# Altium PCB SVEC.pcbdoc (part 4 of 18) (continued)
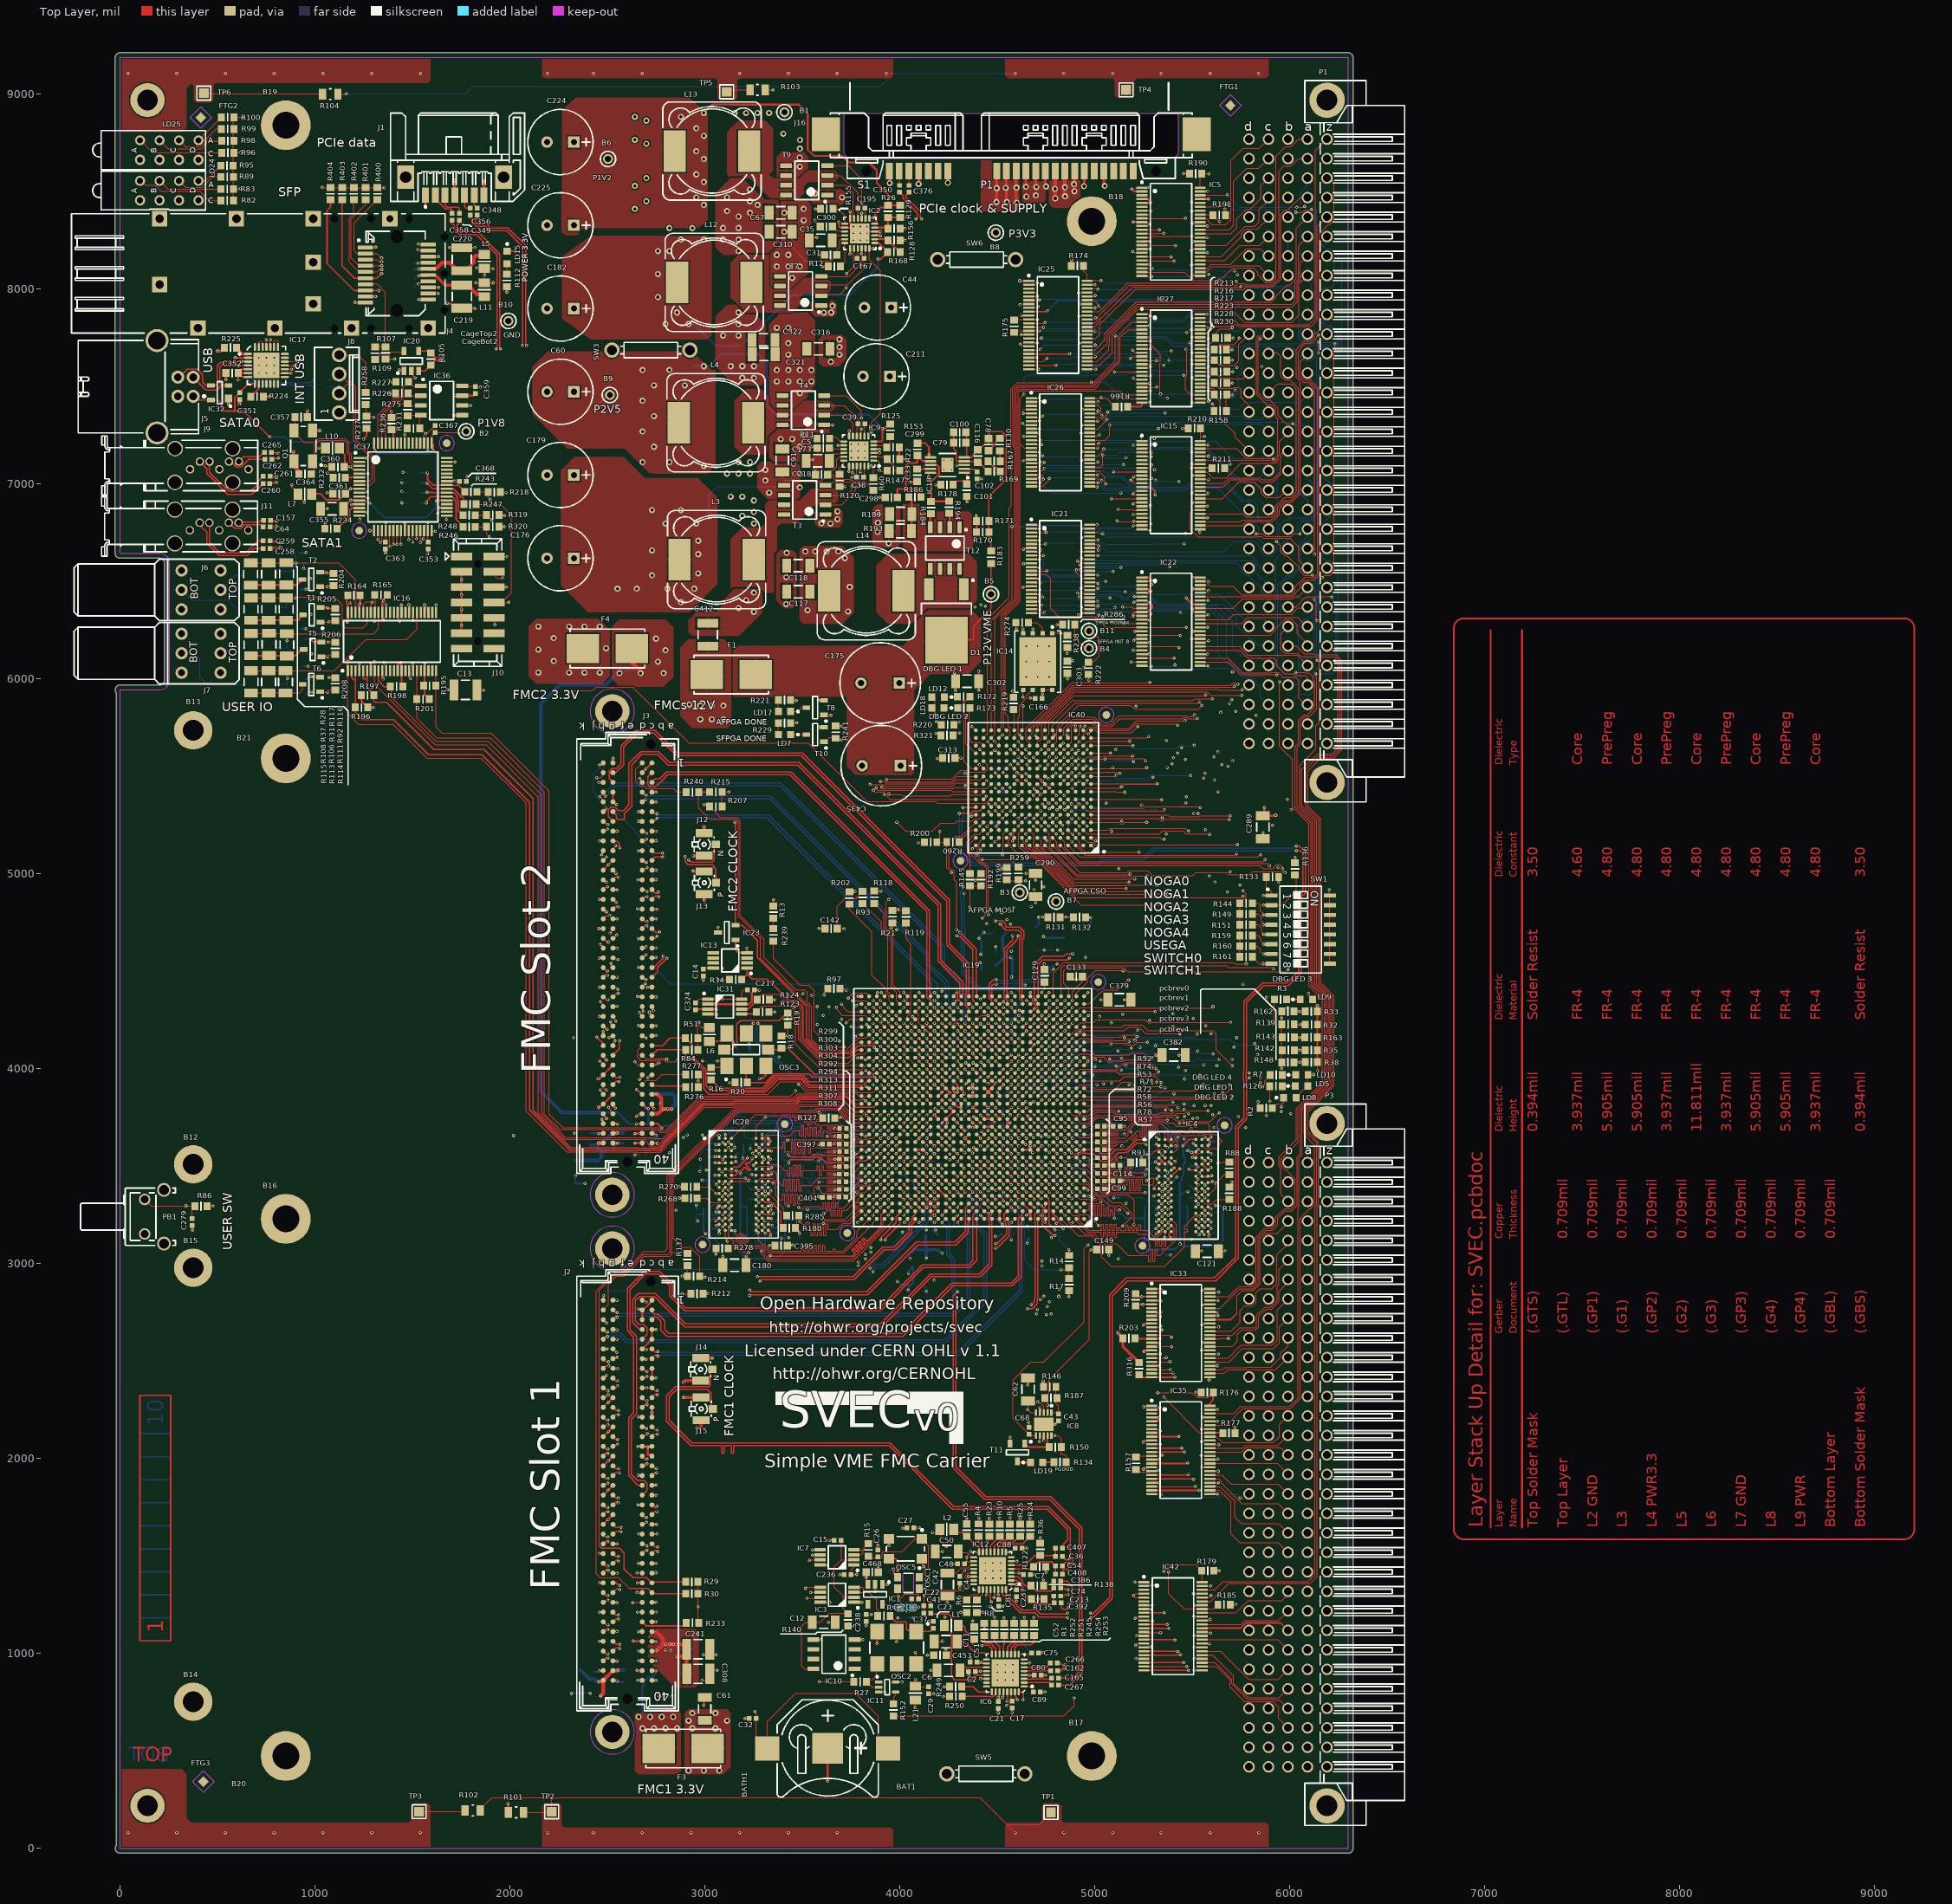
[diagram p0: Top Layer view]
## Nets (pads, with @x,y where several pads share a name; then routed paths per layer and width w, separated by ;. In a path a pad name is that pad's centre, name@x,y a point inside that pad or via, vN(x,y) a via of type N, cw(c..) or ccw(c..) an arc to the next point about the centre after c; other vN are vias at no path point) (continued)
DDR_2_DQ12: IC19.M26 IC28.A7 R302.1 | length 1147.2
  Top Layer w5: IC28.A7@3261.55,3642.73 3261.55,3703.5 v1(3308.55,3750.51) ; v1(3940.48,3643.03) IC19.M26@3960.17,3662.71
  Bottom Layer w5: v1(3308.55,3750.51) 3351.19,3750.51 3351.19,3782.87 3362.19,3782.87 3362.19,3750.51 3509.55,3750.51 3526.93,3767.88 3542.05,3767.88 3542.05,3797.34 3553.05,3797.34 3553.05,3767.88 3564.05,3767.88 3564.05,3797.34 3583.05,3797.34 3599.93,3780.46 3599.93,3768.55 3597.05,3765.68 3597.05,3738.42 3608.05,3738.42 3608.05,3797.34 3619.05,3797.34 3619.05,3767.88 3650.45,3767.88 3723.27,3695.06 3723.27,3692.51 3724.34,3693.57 3727.53,3696.77 3869.29,3696.77 3886.74,3679.32 3886.74,3676.44 3897.96,3665.21 3918.29,3665.21 v1(3940.48,3643.03)
DDR_2_DQ13: IC19.M27 IC28.A2 R301.1 | length 1134.1
  Top Layer w5: IC28.A2@3104.07,3642.73 3104.07,3661.02 v1(3104.55,3661.51) ; v1(3901.11,3643.03) IC19.M27@3920.8,3662.71
  Bottom Layer w5: v1(3104.55,3661.51) 3092.55,3673.51 3092.55,3719.51 3126.55,3753.51 3148.05,3753.51 3148.05,3783.51 3159.05,3783.51 3159.05,3753.51 3170.05,3753.51 3170.05,3783.51 3181.05,3783.51 3181.05,3753.51 3200.55,3753.51 3219.55,3734.51 3319.86,3734.51 3321.36,3736.01 3529.05,3736.01 3540.72,3724.34 3547.79,3731.41 3555.57,3723.63 3548.5,3716.56 3568.18,3696.88 3568.18,3693.57 3584.13,3677.62 3588.93,3672.82 3702.76,3672.82 3722.07,3653.51 R301.1@3723.27,3653.51 3738.64,3668.88 3831.92,3668.88 3847.3,3653.51 3890.63,3653.51 v1(3901.11,3643.03)
DDR_2_DQ14: IC19.M28 IC28.B8 R300.1 | length 1150
  Top Layer w5: IC28.B8@3293.04,3611.23 3293.04,3611.98 3308.42,3627.35 3308.42,3648.35 3320.58,3660.51 3379.68,3660.51 3384.42,3655.77 3433.95,3655.77 3460.99,3682.8 3485.05,3682.8 3485.05,3655.23 3496.05,3655.23 3496.05,3710.37 3507.05,3710.37 3507.05,3655.23 3518.05,3655.23 3518.05,3697.87 3529.05,3697.87 3529.05,3655.23 3540.05,3655.23 3540.05,3699.51 3551.05,3699.51 3551.05,3655.23 3562.05,3655.23 3562.05,3700.39 3573.05,3700.39 3573.05,3655.23 3584.05,3655.23 3584.05,3682.8 3595.05,3682.8 3595.05,3655.23 3606.05,3655.23 3606.05,3682.8 3645.51,3682.8 3655.5,3672.82 3702.76,3672.82 3722.07,3653.51 R300.1@3722.27,3653.51 ; R300.1@3723.27,3652.51 R300.1@3722.27,3653.51 ; IC19.M28@3881.43,3662.71 3861.74,3643.02 3837.22,3643.02 3831.7,3637.51 3813.05,3637.51 3809.87,3640.68 3787.69,3640.68 3774.86,3653.51 3724.4,3653.51 R300.1@3722.27,3653.51
DDR_2_DQ15: IC19.M30 IC28.A3 R299.1 | length 1157.7
  Top Layer w5: IC28.A3@3135.56,3642.73 3257.72,3764.88 3314.51,3764.88 3318.88,3760.51 3385.15,3760.51 3388.98,3764.34 3440.05,3764.34 3440.05,3752.1 3451.05,3752.1 3451.05,3764.34 3462.05,3764.34 3462.05,3734.34 3473.05,3734.34 3473.05,3764.34 3484.05,3764.34 3484.05,3734.34 3495.05,3734.34 3495.05,3764.34 3519.72,3764.34 3531.39,3752.67 3510.18,3731.46 3517.96,3723.68 3539.17,3744.89 3554.45,3760.17 3562.23,3752.39 3525.73,3715.9 3533.51,3708.12 3554.73,3729.33 3567.63,3742.24 3575.41,3734.46 3562.5,3721.56 3572.24,3711.82 3588.74,3711.82 3588.74,3691.8 3599.74,3691.8 3599.74,3711.82 3708.51,3711.82 3726.61,3693.72 3727.82,3692.51 R299.1@3725.4,3692.51 R299.1@3723.27,3692.51 ; R299.1@3722.07,3692.51 R299.1@3723.27,3692.51 ; IC19.M30@3802.69,3662.71 3801.89,3663.51 3752.27,3663.51 3724.33,3691.44 R299.1@3723.27,3692.51
DDR_2_LDM: IC19.J28 IC28.E7 R296.1 | length 1147.2
  Top Layer w5: v1(3861.74,3524.92) IC19.J28@3881.43,3544.6
  Top Layer w6: v1@3249.55,3504.75 IC28.E7@3261.55,3516.74
  L3 w4: v1(3249.55,3504.51) 3252.43,3507.38 3348.3,3507.38 3354.55,3501.13 3434.92,3501.13 3453.92,3520.13 3464.55,3520.13 3464.55,3545.75 3474.55,3545.75 3474.55,3492.09 3484.55,3492.09 3484.55,3548.18 3494.55,3548.18 3494.55,3492.09 3504.55,3492.09 3504.55,3548.18 3514.55,3548.18 3514.55,3492.09 3524.55,3492.09 3524.55,3548.18 3534.55,3548.18 3534.55,3492.09 3544.55,3492.09 3544.55,3520.13 3573.31,3520.13 3575.81,3517.63 3854.46,3517.63 v1(3861.74,3524.92)
  Bottom Layer w6: R296.1@3224.27,3517.51 3237.27,3504.51 v1(3249.55,3504.51)
DDR_2_LDQS_N: IC19.J30 IC28.G3 R292.1 | length 1135.7
  Top Layer w6: IC28.G3@3135.56,3453.75 3156.83,3453.75 3175.43,3472.34 3179.43,3476.35 3184.19,3476.35 3203.75,3495.91 3225.08,3474.58 3233.57,3483.06 3206.24,3510.39 3214.73,3518.88 3220.73,3512.88 3241.8,3533.95 v1(3241.8,3540.39) ; v1(3427.55,3560.51) 3440.55,3547.51 3544.76,3547.51 3557.63,3560.38 3593.51,3560.38 3594.39,3559.51 3597.35,3559.51 3601.35,3555.51 3705.69,3555.51 3723.48,3537.71 3730.36,3544.6 IC19.J30@3802.69,3544.6
  L8 w4: v1(3241.8,3540.39) 3251.68,3530.51 3270.52,3530.51 3280.4,3520.63 3369.4,3520.63 3394.52,3495.51 3453.55,3495.51 3463.55,3505.51 3463.55,3561.54 3444.58,3580.51 3409.52,3580.51 3394.55,3565.54 3394.55,3540.51 3403.55,3531.51 3409.55,3531.51 3412.43,3534.38 3442.43,3534.38 3452.55,3544.51 3452.55,3556.51 3448.55,3560.51 v1(3427.55,3560.51)
DDR_2_LDQS_P: IC19.J29 IC28.F3 R294.1 | length 1155.3
  Top Layer w6: IC28.F3@3135.56,3485.25 3138.29,3485.25 3148.55,3495.51 3171.55,3495.51 v1(3217.55,3541.51) v1@3219.55,3541.51 ; v1@3428.86,3516.82 3428.86,3523.82 3438.55,3533.51 3550.55,3533.51 3563.43,3546.38 3587.72,3546.38 3588.59,3545.51 3591.55,3545.51 3620.43,3516.63 3706.1,3516.63 3722.27,3500.46 3722.27,3497.64 3722.27,3497.51 3724.4,3497.51 3760.55,3497.51 3790.31,3527.26 3824.72,3527.26 IC19.J29@3842.06,3544.6
  L8 w4: v1(3217.55,3541.51) 3217.55,3535.51 3234.55,3518.51 3243.58,3518.51 3243.71,3518.38 3256.52,3518.38 3256.65,3518.51 3265.55,3518.51 3275.43,3508.63 3364.43,3508.63 3389.55,3483.51 3459.55,3483.51 3475.55,3499.51 3475.55,3524.51 3483.55,3524.51 3483.55,3534.51 3475.55,3534.51 3475.55,3566.51 3449.55,3592.51 3404.55,3592.51 3382.55,3570.51 3382.55,3535.54 3401.58,3516.51 v1(3428.55,3516.51)
DDR_2_ODT: IC19.E30 IC28.K1 R270.2 | length 912.7
  Top Layer w5: R270.2@2958.05,3393.51 3022.55,3393.51 v1(3056.55,3359.51) 3056.8,3359.26 IC28.K1@3072.57,3359.26 ; v1@3778.55,3371.51 3778.93,3371.51 3783,3367.43 IC19.E30@3802.69,3387.12
  L6 w4: v1(3056.55,3359.51) 3240.93,3359.51 3270.81,3389.38 3563.81,3389.38 3573.81,3399.38 3750.68,3399.38 v1@3778.55,3371.51
  other v1: 3778.55,3367.44
DDR_2_RAS_N: IC19.K26 IC28.J3 R266.1 | length 1150
  Top Layer w5: v1@3934.48,3565.52 3935.57,3565.52 3937.41,3567.36 3954.02,3583.97 IC19.K26@3960.17,3583.97
  Top Layer w6: v1(3121.15,3378.5) 3133.41,3390.76 IC28.J3@3135.56,3390.76
  L3 w4: v1(3121.15,3378.5) 3133.43,3390.78 3133.43,3526.51 3123.94,3526.51 3123.94,3536.51 3141.43,3536.51 3141.43,3546.51 3133.43,3546.51 3133.43,3557.64 3186.67,3610.88 3524.87,3610.88 3544.87,3590.88 3830.92,3590.88 3843.3,3578.51 3893.59,3578.51 3894.74,3579.66 3920.34,3579.66 v1@3934.48,3565.52
  Bottom Layer w6: v1(3121.15,3378.5) 3121.15,3380.11 3142.55,3401.51 R266.1@3145.84,3401.51
  other v1: 3940.48,3564.29
DDR_2_RESET_N: IC19.C26 IC28.T2 R278.2 | length 1054.6
  Top Layer w5: IC28.T2@3104.07,3170.29 3104.07,3128.99 ; v1(3114.55,3115.51) 3104.07,3125.99 3104.07,3128.99 ; R278.2@3119.05,3077.51 3119.05,3114.01 3104.07,3128.99 ; v1(3940.48,3288.7) IC19.C26@3960.17,3308.38
  L6 w4: v1(3114.55,3115.51) 3370.55,3115.51 3370.55,3131.13 3417.06,3177.63 3834.68,3177.63 3940.48,3283.43 v1(3940.48,3288.7)
DDR_2_UDM: IC19.J27 IC28.D3 R298.1 | length 1146.7
  Top Layer w5: v1(3901.11,3524.92) IC19.J27@3920.8,3544.6
  Top Layer w6: IC28.D3@3135.56,3548.24 3137.29,3546.51 v1(3155.55,3546.51)
  L3 w4: v1(3155.55,3546.51) 3186.68,3577.63 3236.3,3577.63 3239.55,3580.88 3296.05,3580.88 3308.55,3593.38 3346.3,3593.38 3358.3,3581.38 3379.55,3581.38 3379.55,3600.31 3389.55,3600.31 3389.55,3553.95 3399.55,3553.95 3399.55,3600.31 3409.55,3600.31 3409.55,3573.38 3419.55,3573.38 3419.55,3600.31 3429.55,3600.31 3429.55,3581.38 3439.55,3581.38 3439.55,3600.31 3449.55,3600.31 3449.55,3553.95 3459.55,3553.95 3459.55,3581.38 3611.55,3581.38 3642.05,3550.88 3672.92,3550.88 3677.3,3546.51 3879.52,3546.51 v1(3901.11,3524.92)
  Bottom Layer w6: v1(3155.55,3546.51) 3155.55,3555.51 3166.84,3566.79 R298.1@3166.84,3569.51
DDR_2_UDQS_N: IC19.K30 IC28.B7 R293.1 | length 1152.1
  Top Layer w6: IC28.B7@3261.55,3611.23 3277.27,3595.51 v1(3277.55,3595.51) ; v1(3771.55,3562.51) 3781.22,3562.51 IC19.K30@3802.69,3583.97
  Bottom Layer w6: v1(3277.55,3595.51) 3287.55,3595.51 3297.55,3605.51 3297.55,3630.3 3296.55,3631.3 3303.68,3638.43 3303.68,3639.47 3308.29,3644.08 3308.29,3654.21 3312.39,3658.31 3312.39,3659.3 3322.49,3669.41 3326.59,3673.51 3362.55,3673.51 3362.55,3703.51 3374.55,3703.51 3374.55,3673.51 3389.35,3673.51 3393.45,3669.41 3407.55,3655.3 3407.55,3549.51 3411.68,3545.38 3440.43,3545.38 3447.55,3552.51 3447.55,3684.51 3464.55,3701.51 3498.55,3701.51 3516.55,3683.51 3516.55,3550.51 3524.65,3542.41 3551.62,3542.41 3580.09,3570.88 3597.55,3570.88 3597.55,3550.71 3609.55,3550.71 3609.55,3570.88 3651.15,3570.88 3666.21,3555.82 3705.23,3555.82 R293.1@3724.4,3536.64 3748.69,3536.64 3754.69,3542.64 3754.69,3545.64 v1(3771.55,3562.51)
DDR_2_UDQS_P: IC19.K28 IC28.C7 R295.1 | length 1140.4
  Top Layer w6: IC28.C7@3261.55,3579.73 3277.55,3563.73 v1(3277.55,3563.51) ; v1(3861.74,3564.29) IC19.K28@3881.43,3583.97
  Bottom Layer w6: v1(3277.55,3563.51) 3277.55,3568.81 3290.25,3581.51 3293.35,3581.51 3311.55,3599.71 3311.55,3626.51 3317.68,3632.63 3317.68,3633.67 3326.39,3642.38 3326.39,3653.51 3332.39,3659.51 3383.55,3659.51 3393.55,3649.51 3393.55,3543.71 3405.88,3531.38 3446.23,3531.38 3461.55,3546.71 3461.55,3678.51 3470.55,3687.51 3490.55,3687.51 3502.55,3675.51 3502.55,3544.71 3518.86,3528.41 3563.62,3528.41 3579.72,3512.3 3660.31,3512.3 3664.46,3516.45 3703.68,3516.45 3707.78,3512.35 3707.78,3511.99 3720.14,3499.64 3724.4,3499.64 3755.69,3499.64 3806.55,3550.51 3848.55,3550.51 v1@3860.55,3562.51
DDR_2_WE_N: IC19.E26 IC28.L3 R264.1 | length 1150
  Top Layer w5: v1@3938.55,3367.51 3940.41,3367.51 v1(3940.48,3367.44) IC19.E26@3960.17,3387.12
  Top Layer w6: v1(3120.55,3313.51) 3134.81,3327.77 IC28.L3@3135.56,3327.77
  L3 w4: v1(3120.55,3313.51) 3141.59,3334.54 3135.48,3340.65 3142.55,3347.72 3156.03,3334.24 3163.1,3341.31 3155.73,3348.68 3135.99,3368.42 3143.06,3375.5 3162.8,3355.75 3170.17,3348.38 3177.25,3355.45 3150.13,3382.57 3157.2,3389.64 3176.94,3369.9 3184.32,3362.52 3191.39,3369.6 3184.02,3376.97 3198.43,3391.38 3565.81,3391.38 3573.81,3399.38 3647.69,3399.38 3655.69,3391.38 3660.19,3395.88 3715.18,3395.88 3723.55,3387.51 3920.41,3387.51 3940.41,3367.51 v1@3938.55,3367.51
  Bottom Layer w6: v1(3120.55,3313.51) 3121.55,3313.51 3141.55,3333.51 R264.1@3145.84,3333.51
DDR_2_ZQ: IC28.L8 R180.2 | length 207.7
  Top Layer w6: IC28.L8@3293.04,3327.77 3308.3,3312.51 3340.55,3312.51 3341.68,3311.38 3346.72,3311.38 3355.43,3302.67 3355.43,3297.63 3388.55,3264.51 R180.2@3388.55,3181.51
DDR_A0: IC4.N3 IC19.D4 R70.1 | length 1092.6
  Top Layer w5: IC19.D4@4826.31,3347.75 4840.55,3333.51 v1@4845.55,3333.51 ; v1(5376.55,3245.51) 5378.29,3245.51 IC4.N3@5391.56,3258.77
  L8 w4: v1@4845.55,3333.51 4848.49,3330.57 4860.55,3318.51 4925.55,3318.51 4951.92,3292.14 5008.92,3292.14 5022.09,3278.97 5037.26,3294.14 5044.33,3287.07 5019.82,3262.56 5026.89,3255.48 5036.23,3264.83 5057.44,3286.04 5064.52,3278.97 5043.3,3257.76 5033.96,3248.41 5041.03,3241.34 5071.59,3271.9 5078.66,3264.83 5057.44,3243.62 5048.1,3234.27 5055.17,3227.2 5064.52,3236.54 5085.73,3257.76 5092.8,3250.69 5062.24,3220.13 5069.31,3213.06 5078.66,3222.4 5085.35,3229.09 5092.42,3222.02 5085.73,3215.33 5076.39,3205.99 5083.46,3198.92 5092.8,3208.26 5134.55,3166.51 5278.36,3166.51 5308.49,3196.64 5350.92,3196.64 5359.93,3205.64 5359.93,3228.88 v1(5376.55,3245.51)
  Bottom Layer w5: v1(5376.55,3245.51) 5388.84,3245.51 R70.1@5398.84,3255.51
  other v1: 4846,3328.07
DDR_A1: IC4.P7 IC19.D3 R48.1 | length 1089.6
  Top Layer w5: IC19.D3@4865.68,3347.75 4877.79,3335.64 v1@4881.69,3335.64 ; v1(4881.69,3334.13) v1@4881.69,3335.64 ; v1@4882.69,3335.64 v1@4881.69,3335.64 ; IC4.P7@5517.55,3227.28 5519.7,3227.28 5534.01,3212.96 v1(5534.01,3212.76)
  L8 w4: v1@4885.55,3334.58 4923.62,3334.58 4934.7,3323.51 4989.67,3323.51 5011.04,3302.14 5070.92,3302.14 5133.55,3239.51 5182.55,3239.51 5182.55,3216.59 5192.55,3216.59 5192.55,3264.75 5202.55,3264.75 5202.55,3218.99 5212.55,3218.99 5212.55,3264.75 5222.55,3264.75 5222.55,3214.26 5232.55,3214.26 5232.55,3264.75 5242.55,3264.75 5242.55,3239.51 5267.55,3239.51 5291.76,3263.71 5322.49,3263.71 5328.07,3258.13 5350.92,3258.13 5353.67,3260.88 5485.89,3260.88 v1(5534.01,3212.76)
  Bottom Layer w5: R48.1@5508.27,3227.51 5508.27,3225.1 5519.55,3213.82 5533.16,3213.82 5534.01,3212.96 v1(5534.01,3212.76)
DDR_A2: IC4.P3 IC19.A3 R69.1 | length 1112.2
  Top Layer w5: IC19.A3@4865.68,3229.64 4865.68,3211.5 4881.6,3195.58 4893.51,3195.58 4895.39,3197.46 4901.93,3197.46 4901.93,3197.13 4947.81,3151.25 4997.81,3151.25 5047.05,3102.01 5111.05,3102.01 5171.55,3041.51 5276.05,3041.51 5276.05,3011.51 5287.05,3011.51 5287.05,3070.76 5298.05,3070.76 5298.05,3011.51 5309.05,3011.51 5309.05,3071.51 5320.05,3071.51 5320.05,3041.51 5333.44,3041.51 5354.39,3062.45 5344.42,3072.42 5352.2,3080.19 5362.16,3070.23 5416.94,3125 5416.94,3201.9 IC4.P3@5391.56,3227.28 5391.56,3226.06 v1(5375.35,3209.84)
  Bottom Layer w5: v1(5375.35,3209.84) 5374.55,3210.64 5374.55,3213.51 5384.55,3223.51 R69.1@5398.84,3223.51
DDR_A3: IC4.N2 IC19.E5 R47.1 | length 1094.4
  Top Layer w5: IC19.E5@4786.94,3387.12 4805.55,3368.51 4806.62,3368.51 v1@4810.55,3368.51 ; v1(5344.55,3242.76) 5344.55,3243.51 5359.82,3258.77 IC4.N2@5360.07,3258.77
  L3 w4: v1@4810.55,3368.51 4809.67,3368.51 4830.18,3348 4830.18,3324.26 4843.87,3310.57 4883.11,3310.57 4905.29,3288.39 4905.29,3282.03 4886.35,3263.09 4893.42,3256.02 4912.37,3274.96 4914.23,3276.83 4921.3,3269.76 4900.49,3248.95 4907.56,3241.87 4949.59,3283.9 4956.66,3276.83 4935.44,3255.62 4914.63,3234.8 4921.7,3227.73 4942.52,3248.54 4963.73,3269.76 4970.8,3262.69 4928.78,3220.66 4935.85,3213.59 4956.66,3234.4 4967.23,3223.83 5034.23,3223.83 5039.93,3218.13 5106.92,3218.13 5121.75,3232.96 5322.49,3232.96 5332.29,3242.76 v1(5344.55,3242.76)
  Bottom Layer w5: R47.1@5291.27,3262.51 5292.47,3263.71 5322.49,3263.71 5342.7,3243.51 5344.55,3243.51 v1(5344.55,3242.76)
  other v1: 4806.62,3367.44
DDR_A4: IC4.P8 IC19.C5 R68.1 | length 1099
  Top Layer w5: IC19.C5@4786.94,3308.38 4801.81,3293.51 4805.55,3293.51 4807.48,3291.58 4812.39,3291.58 v1@4813.3,3290.68 ; IC4.P8@5549.04,3227.28 5563.68,3212.64 5564.55,3211.77 v1(5564.55,3213.51)
  L8 w4: v1@4813.3,3290.68 4826.51,3303.88 4850.43,3303.88 4868.68,3285.63 4868.68,3280.76 4876.81,3272.63 4998.43,3272.63 5153.55,3117.51 5269.55,3117.51 5269.55,3132.12 5279.55,3132.12 5279.55,3117.51 5422.19,3117.51 5469,3164.32 5469.69,3163.64 5487.69,3163.64 5493.88,3169.83 5493.88,3170.83 5472.66,3192.04 5479.73,3199.11 5508.42,3170.43 5515.49,3177.5 5508.02,3184.97 5520.43,3197.38 5527.64,3197.38 5540.38,3197.38 5540.77,3197 5548.05,3197 v1(5564.55,3213.51)
  Bottom Layer w5: v1(5564.55,3213.51) 5579.93,3228.88 5609.46,3228.88 R68.1@5610.84,3227.51
  other v1: 4806.62,3288.7
DDR_A5: IC4.P2 IC19.F2 R46.1 | length 1094.9
  Top Layer w5: IC19.F2@4905.05,3426.49 4923.03,3408.51 4957.3,3408.51 4983.53,3382.28 4983.53,3364.45 4993.78,3354.2 5001.19,3354.2 5011.19,3344.2 5054.86,3344.2 5085.55,3313.51 5133.81,3313.51 5154.19,3293.13 5154.67,3293.13 5189.55,3258.25 5189.55,3240.51 v1(5142.55,3193.51) ; v1(5344.55,3212.01) 5344.55,3213.51 5346.29,3213.51 IC4.P2@5360.07,3227.28
  L3 w4: v1(5142.55,3193.51) 5163.43,3214.38 5206.68,3214.38 5222.55,3198.51 5239.55,3198.51 5239.55,3168.51 5249.55,3168.51 5249.55,3224.96 5259.55,3224.96 5259.55,3168.51 5269.55,3168.51 5269.55,3224.96 5279.55,3224.96 5279.55,3168.51 5289.55,3168.51 5289.55,3224.96 5299.55,3224.96 5299.55,3198.51 5331.05,3198.51 v1(5344.55,3212.01)
  Bottom Layer w5: R46.1@5291.27,3230.51 5327.55,3230.51 5344.55,3213.51 v1(5344.55,3212.01)
DDR_A6: IC4.R8 IC19.F1 R67.1 | length 1100
  Top Layer w5: IC19.F1@4944.42,3426.49 4953.45,3426.49 4993.53,3386.42 4993.53,3368.59 4997.92,3364.2 ; 5000.24,3364.2 5003.92,3364.2 5013.92,3354.2 5171.86,3354.2 5201.55,3324.51 v1@5201.55,3201.51 ; IC4.R8@5549.04,3195.78 v1@5559.55,3185.27
  L3 w4: v1(5200.55,3200.51) 5200.55,3171.51 5233.55,3138.51 5333.55,3138.51 5351.55,3156.51 5413.68,3156.51 5454.55,3197.38 5482.55,3197.38 5482.55,3171.51 5492.55,3171.51 5492.55,3223.25 5502.55,3223.25 5502.55,3171.51 5512.55,3171.51 5512.55,3197.38 5545.68,3197.38 v1(5559.55,3183.51)
  Bottom Layer w5: v1(5559.55,3183.51) 5570.48,3194.43 5619.91,3194.43 R67.1@5621.84,3192.51
DDR_A7: IC4.R2 IC19.B3 R45.1 | length 1100
  Top Layer w5: IC19.B3@4865.68,3269.01 4887.71,3246.98 4912.23,3246.98 4922.39,3236.82 4922.39,3216.67 4967.81,3171.25 5033.05,3171.25 5033.05,3201.25 5044.05,3201.25 5044.05,3171.25 5055.05,3171.25 5055.05,3201.25 5066.05,3201.25 5066.05,3171.25 5077.05,3171.25 5077.05,3201.25 5088.05,3201.25 5088.05,3171.25 5099.05,3171.25 5099.05,3201.25 5110.05,3201.25 5110.05,3171.25 5121.05,3171.25 5121.05,3183.69 5132.05,3183.69 5132.05,3171.25 5159.05,3171.25 5159.05,3196.89 5170.05,3196.89 5170.05,3171.25 5181.05,3171.25 5181.05,3188.53 5192.05,3188.53 5192.05,3171.25 5203.05,3171.25 5203.05,3185.96 5214.05,3185.96 5214.05,3171.25 5225.05,3171.25 5225.05,3200.86 5236.05,3200.86 5236.05,3171.25 5268.81,3171.25 5301.55,3138.51 5324.53,3138.51 5344.55,3158.53 v1(5344.55,3178.51) 5344.55,3183.51 5356.83,3195.78 IC4.R2@5360.07,3195.78
  Bottom Layer w5: R45.1@5291.27,3199.51 5323.55,3199.51 v1(5344.55,3178.51)
DDR_A8: IC4.T8 IC19.B2 R66.1 | length 1100
  Top Layer w5: IC19.B2@4905.05,3269.01 4922.39,3251.67 4962.39,3251.67 5017.55,3196.51 v1(5017.55,3195.51) ; IC4.T8@5549.04,3164.29 5549.04,3164.02 5559.55,3153.51 v1(5559.55,3148.51)
  L8 w4: v1(5017.55,3195.51) 5017.55,3152.51 5028.09,3141.97 5044.09,3157.97 5051.16,3150.9 5019.16,3118.9 5026.23,3111.83 5058.23,3143.83 5065.31,3136.76 5033.3,3104.75 5040.37,3097.68 5056.37,3113.69 5110.55,3059.51 5522.55,3059.51 5559.55,3096.51 v1(5559.55,3148.51)
  Bottom Layer w5: v1(5559.55,3148.51) 5569.55,3158.51 R66.1@5619.84,3158.51
DDR_A9: IC4.R3 IC19.A2 R44.1 | length 1081.6
  Top Layer w5: IC19.A2@4905.05,3229.64 4905.05,3219.87 4963.67,3161.25 5034.05,3161.25 5034.05,3134.27 5045.05,3134.27 5045.05,3161.25 5056.05,3161.25 5056.05,3134.27 5067.05,3134.27 5067.05,3161.25 5078.05,3161.25 5078.05,3134.27 5089.05,3134.27 5089.05,3161.25 5100.05,3161.25 5100.05,3134.27 5111.05,3134.27 5111.05,3161.25 5213.83,3161.25 5223.83,3151.25 5268.69,3151.25 5299.81,3120.13 5310.05,3120.13 5310.05,3090.13 5321.05,3090.13 5321.05,3120.13 5332.05,3120.13 5332.05,3090.13 5343.05,3090.13 5343.05,3120.13 5354.05,3120.13 5354.05,3090.13 5365.05,3090.13 5365.05,3120.13 5381.19,3120.13 5383.19,3118.13 5395.92,3118.13 5406.94,3129.15 5406.94,3180.41 IC4.R3@5391.56,3195.78 5378,3182.22 5375.84,3182.22 v1(5375.84,3179.1)
  Bottom Layer w5: v1(5375.84,3179.1) 5375.84,3182.22 5389.55,3182.22 R44.1@5398.84,3191.51
DDR_A10: IC4.L7 IC19.D5 R65.1 | length 1100
  Top Layer w5: IC19.D5@4786.94,3347.75 v1(4806.62,3328.07) 4807.07,3328.51 4810.55,3328.51 4808.37,3326.32 v1@4806.55,3324.51 ; IC4.L7@5517.55,3321.77 5517.55,3320.51 5531.76,3306.3 v1(5531.76,3305.4)
  L3 w5: v1(4806.62,3328.07) 4807.18,3327.51 v1@4808.55,3327.51
  L8 w4: v1@4806.55,3324.51 4808.37,3326.32 4810.55,3328.51 4807.07,3328.51 4828.52,3349.96 4929,3349.96 4939.42,3360.38 5095.42,3360.38 5107.67,3348.13 5122.55,3348.13 5122.55,3377.13 5132.55,3377.13 5132.55,3332.13 5142.55,3332.13 5142.55,3369.89 5152.55,3369.89 5152.55,3337.51 5162.55,3337.51 5162.55,3373.7 5172.55,3373.7 5172.55,3337.51 5182.55,3337.51 5182.55,3348.13 5263.92,3348.13 5279.67,3363.88 5330.19,3363.88 5339.19,3354.88 5351.92,3354.88 5353.67,3353.13 5368.89,3353.13 5381.63,3353.13 5401.26,3333.51 5499.55,3333.51 5527.66,3305.4 v1(5531.76,3305.4)
  Bottom Layer w5: R65.1@5508.27,3294.51 5519.16,3305.4 v1(5531.76,3305.4)
DDR_A11: IC4.R7 IC19.G4 R43.1 | length 1145.2
  Top Layer w5: IC19.G4@4826.31,3465.86 v1(4846,3446.18) ; IC4.R7@5517.55,3195.78 5531.11,3182.22 5533.27,3182.22 v1(5533.27,3182.01)
  L8 w4: v1(4846,3446.18) 4830.62,3430.8 4801.85,3430.8 4784.75,3413.7 4784.75,3279.63 4799.88,3264.51 4983.57,3264.51 5146.57,3101.51 5417.5,3101.51 5431.09,3115.1 5466.35,3115.1 5479.18,3127.93 5479.18,3129.87 5531.32,3182.01 v1(5533.27,3182.01)
  Bottom Layer w5: R43.1@5508.27,3194.51 5520.56,3182.22 5533.27,3182.22 v1(5533.27,3182.01)
DDR_A12: IC4.N7 IC19.A4 R64.1 | length 1094.2
  Top Layer w5: IC19.A4@4826.31,3229.64 4914.7,3141.25 4985.9,3141.25 5033.55,3093.59 5033.55,3034.51 5082.55,2985.51 5357.55,2985.51 5459.55,3087.51 5459.55,3165.01 5476.06,3165.01 5476.06,3176.01 5459.55,3176.01 5459.55,3191.03 5512.03,3243.51 5518.82,3243.51 ; IC4.N7@5517.55,3258.77 5517.55,3244.78 5518.82,3243.51 ; v1(5534.55,3243.51) 5518.82,3243.51
  Bottom Layer w5: R64.1@5507.27,3259.51 5520.96,3245.82 5522.77,3245.82 5525.08,3243.51 v1(5534.55,3243.51)
DDR_A13: IC4.T3 IC19.B5 R42.1 | length 1100
  Top Layer w5: 4808.47,3228.51 4808.47,3222.96 4810.54,3220.88 4811.51,3220.88 4835.55,3196.83 4835.55,3183.51 v1(4838.55,3180.51)
  Top Layer w6: IC19.B5@4786.94,3269.01 4786.94,3256.08 4808.47,3234.56 4808.47,3228.51 ; v1(5389.55,3133.51) 5379.55,3143.51 5379.55,3153.51 5390.33,3164.29 IC4.T3@5391.56,3164.29
  L3 w4: v1(4838.55,3180.51) 4901.05,3118.01 5103.55,3118.01 5103.55,3091.38 5113.55,3091.38 5113.55,3118.01 5123.55,3118.01 5123.55,3091.38 5133.55,3091.38 5133.55,3118.01 5143.55,3118.01 5143.55,3091.38 5153.55,3091.38 5153.55,3118.01 5163.55,3118.01 5163.55,3091.38 5173.55,3091.38 5173.55,3118.01 5183.55,3118.01 5183.55,3091.38 5193.55,3091.38 5193.55,3118.01 5203.55,3118.01 5203.55,3091.38 5213.55,3091.38 5213.55,3118.01 5374.05,3118.01 v1(5389.55,3133.51)
  Bottom Layer w6: v1(5389.55,3133.51) 5379.55,3143.51 5379.55,3153.51 5383.55,3157.51 R42.1@5399.84,3157.51
DDR_A14: IC4.T7 IC19.A5 R85.1 | length 1100
  Top Layer w5: IC19.A5@4786.94,3229.64 4806.63,3209.95 v1(4803.18,3206.51) 4805.55,3206.51 v1@4806.55,3205.51 ; IC4.T7@5517.55,3164.29 5518.77,3164.29 v1(5534.55,3148.51)
  L8 w5: v1@4806.55,3205.51 4825.38,3224.33 5009.06,3224.33 5030.88,3202.51 5033.55,3202.51 5152.55,3083.51 5217.05,3083.51 5217.05,3068.78 5228.05,3068.78 5228.05,3083.51 5239.05,3083.51 5239.05,3068.78 5250.05,3068.78 5250.05,3083.51 5261.05,3083.51 5261.05,3068.78 5272.05,3068.78 5272.05,3083.51 5283.05,3083.51 5283.05,3068.78 5294.05,3068.78 5294.05,3083.51 5305.05,3083.51 5305.05,3068.78 5316.05,3068.78 5316.05,3083.51 5327.05,3083.51 5327.05,3068.78 5338.05,3068.78 5338.05,3083.51 5490.55,3083.51 5534.55,3127.51 v1(5534.55,3148.51)
  Bottom Layer w5: R85.1@5509.27,3159.51 5520.27,3148.51 v1(5534.55,3148.51)
DDR_BA0: IC4.M2 IC19.D2 R40.1 | length 1050.5
  Top Layer w5: IC19.D2@4905.05,3347.75 4922.39,3330.41 4961.91,3330.41 4964.19,3328.13 4986.6,3328.13 4990.6,3324.13 5007.04,3324.13 5017.1,3334.2 5036.86,3334.2 5074.05,3297.01 5097.05,3297.01 5097.05,3283.5 5108.05,3283.5 5108.05,3297.01 5129.05,3297.01 v1(5168.55,3257.51) ; v1(5344.55,3273.51) 5360.07,3289.02 IC4.M2@5360.07,3290.27 IC4.M2@5362.22,3290.27
  L3 w4: v1(5168.55,3257.51) 5187.55,3257.51 5187.55,3281.19 5197.55,3281.19 5197.55,3240.96 5207.55,3240.96 5207.55,3286.46 5217.55,3286.46 5217.55,3240.96 5227.55,3240.96 5227.55,3286.46 5237.55,3286.46 5237.55,3240.96 5247.55,3240.96 5247.55,3286.46 5257.55,3286.46 5257.55,3240.96 5267.55,3240.96 5267.55,3286.46 5277.55,3286.46 5277.55,3240.96 5287.55,3240.96 5287.55,3257.51 5303.55,3257.51 5309.76,3263.71 5321.55,3263.71 5323.43,3263.71 5333.23,3273.51 v1(5344.55,3273.51)
  Bottom Layer w5: R40.1@5292.27,3296.51 5321.55,3296.51 v1(5344.55,3273.51)
DDR_BA1: IC4.N8 IC19.D1 R61.1 | length 1091.7
  Top Layer w5: IC19.D1@4944.42,3347.75 4948.66,3343.51 v1(4970.55,3343.51) ; IC4.N8@5549.04,3258.77 5554.29,3258.77 5564.55,3248.51 v1(5564.55,3243.51)
  L8 w4: v1(4970.55,3343.51) 4979.43,3352.38 5059.94,3352.38 5089.19,3323.13 5151.04,3323.13 5156.41,3328.51 5292.18,3328.51 5299.29,3321.39 5348.53,3321.39 5357.54,3312.39 5357.54,3308.78 5371.91,3294.4 5407.55,3294.4 5407.55,3323.57 5417.55,3323.57 5417.55,3269.71 5427.55,3269.71 5427.55,3323.57 5437.55,3323.57 5437.55,3269.71 5447.55,3269.71 5447.55,3323.57 5457.55,3323.57 5457.55,3269.71 5467.55,3269.71 5467.55,3294.4 5513.66,3294.4 v1(5564.55,3243.51)
  Bottom Layer w5: v1(5564.55,3243.51) 5584.93,3263.88 5616.46,3263.88 R61.1@5620.84,3259.51
DDR_BA2: IC4.M3 IC19.F3 R39.1 | length 1091.9
  Top Layer w5: IC19.F3@4865.68,3426.49 4878.66,3413.51 4880.48,3413.51 ; v1@5378.25,3276.96 IC4.M3@5391.56,3290.27
  L3 w4: v1@4886.27,3407.71 4895.48,3398.51 4965.88,3398.51 5010.43,3353.96 5010.43,3309.9 5017.2,3303.13 5057.55,3303.13 5057.55,3318.67 5067.55,3318.67 5067.55,3303.13 5155.18,3303.13 v1(5160.55,3308.51)
  L8 w4: v1(5160.55,3308.51) 5194.55,3308.51 5194.55,3320.51 5204.55,3320.51 5204.55,3278.51 5214.55,3278.51 5214.55,3320.51 5224.55,3320.51 5224.55,3278.51 5234.55,3278.51 5234.55,3320.51 5244.55,3320.51 5244.55,3278.51 5254.55,3278.51 5254.55,3320.51 5264.55,3320.51 5264.55,3278.51 5274.55,3278.51 5274.55,3320.51 5284.55,3320.51 5284.55,3278.51 5294.55,3278.51 5294.55,3308.51 5309.38,3308.51 5327.25,3290.64 5349.16,3290.64 5362.84,3276.96 v1(5376.1,3276.96)
  Bottom Layer w5: v1(5376.1,3276.96) 5387.29,3276.96 R39.1@5398.84,3288.51
  other v1: 4885.37,3406.81
DDR_CAS_N: IC4.K3 IC19.B1 R41.1 | length 1100
  Top Layer w5: IC19.B1@4944.42,3269.01 4949.92,3274.51 4970.05,3274.51 4970.05,3299.25 4981.05,3299.25 4981.05,3245.86 4992.05,3245.86 4992.05,3299.25 5003.05,3299.25 5003.05,3244.63 5014.05,3244.63 5014.05,3299.25 5025.05,3299.25 5025.05,3244.63 5036.05,3244.63 5036.05,3304.38 5047.05,3304.38 5047.05,3244.63 5058.05,3244.63 5058.05,3289.4 5069.05,3289.4 5069.05,3244.63 5080.05,3244.63 5080.05,3274.51 5091.05,3274.51 5091.05,3248.01 5102.05,3248.01 5102.05,3274.51 v1(5126.55,3274.51) ; v1(5375.26,3337.76) 5377.78,3340.28 5378.58,3340.28 IC4.K3@5391.56,3353.26
  L3 w4: v1(5126.55,3274.51) 5135.18,3283.13 5166.87,3283.13 5207.87,3324.13 5351.92,3324.13 5365.55,3337.76 v1(5375.26,3337.76)
  Bottom Layer w5: v1(5375.26,3337.76) 5383.81,3337.76 5398.55,3352.51 R41.1@5399.84,3352.51
DDR_CK_N: IC4.K7 IC19.E1 R110.2 | length 1083.3
  Top Layer w6: IC19.E1@4944.42,3387.12 4956.94,3387.12 4965.05,3379.01 v1@4965.55,3378.51 ; IC4.K7@5517.55,3353.26 5519.7,3353.26 5534,3338.96 5535.45,3337.51 v1(5532.55,3337.51)
  L8 w4: v1(4963.55,3377.51) 4960.55,3374.51 4943.55,3374.51 4937.55,3380.51 4937.55,3389.51 4947.3,3399.25 5137.21,3399.25 5137.96,3398.51 5147.12,3398.51 5147.25,3398.63 5158.74,3398.63 5158.87,3398.51 5316.55,3398.51 5327.93,3387.13 5358.55,3387.13 5359.55,3386.14 5379.9,3386.14 5398.14,3404.38 5461.55,3404.38 5461.55,3382.64 5462.04,3383.13 5471.55,3383.13 5471.55,3404.38 5497.78,3404.38 5512.9,3419.51 5549.58,3419.51 5552.01,3417.08 5570,3417.08 5578.12,3408.95 5578.12,3404.51 5601.55,3381.08 5601.55,3360.51 5593.43,3352.38 5564.68,3352.38 5562.43,3354.63 5558.81,3354.63 5550.68,3362.76 5550.68,3375.66 5536.96,3389.38 5522.15,3389.38 5511.68,3378.91 5511.68,3358.38 v1(5532.55,3337.51)
  Bottom Layer w6: R110.2@5482.55,3338.01 5532.55,3338.01 v1@5534.95,3338.01
DDR_CK_P: IC4.J7 IC19.E3 R110.1 | length 1099.3
  Top Layer w6: IC19.E3@4865.68,3387.12 v1(4885.37,3367.44) ; IC4.J7@5517.55,3384.76 5518.3,3384.76 v1@5529.55,3373.51
  L8 w4: v1(4885.37,3367.44) 4931.06,3413.13 4986.55,3413.13 4986.55,3434.11 4996.55,3434.11 4996.55,3413.13 5140.31,3413.13 5142.81,3410.63 5292.43,3410.63 5292.55,3410.51 5323.55,3410.51 5329.43,3416.38 5492.81,3416.38 5523.85,3447.42 5538.64,3447.42 5556.99,3429.08 5574.97,3429.08 5590.12,3413.92 5590.12,3409.48 5613.55,3386.05 5613.55,3383.51 5614.05,3383.01 5613.55,3382.51 5613.55,3355.51 5596.55,3338.51 5584.17,3338.51 5569.17,3323.51 5559.68,3323.51 5550.68,3332.51 5550.68,3343.38 5550.43,3343.63 5550.43,3346.04 5531.52,3364.94 5531.52,3371.51 5531.52,3372.51 5529.81,3372.51 5529.55,3372.76 v1(5529.55,3371.51)
  Bottom Layer w6: R110.1@5482.55,3401 5486.33,3401 5515.82,3371.51 v1(5529.55,3371.51)